# Altium PCB PCB_3U_BNC.PCBDOC (part 2 of 2)
Units mil, origin at the board's own origin, x right, y up, seen from the top; angles counter-clockwise.
Board outline 2496.06 x 3937 mil, 4 copper layers (TopLayer, Internal Plane 2, Internal Plane 1, BottomLayer), stack 35.634 mil thick; 146 components, 103 nets, 600 pads, 388 vias.
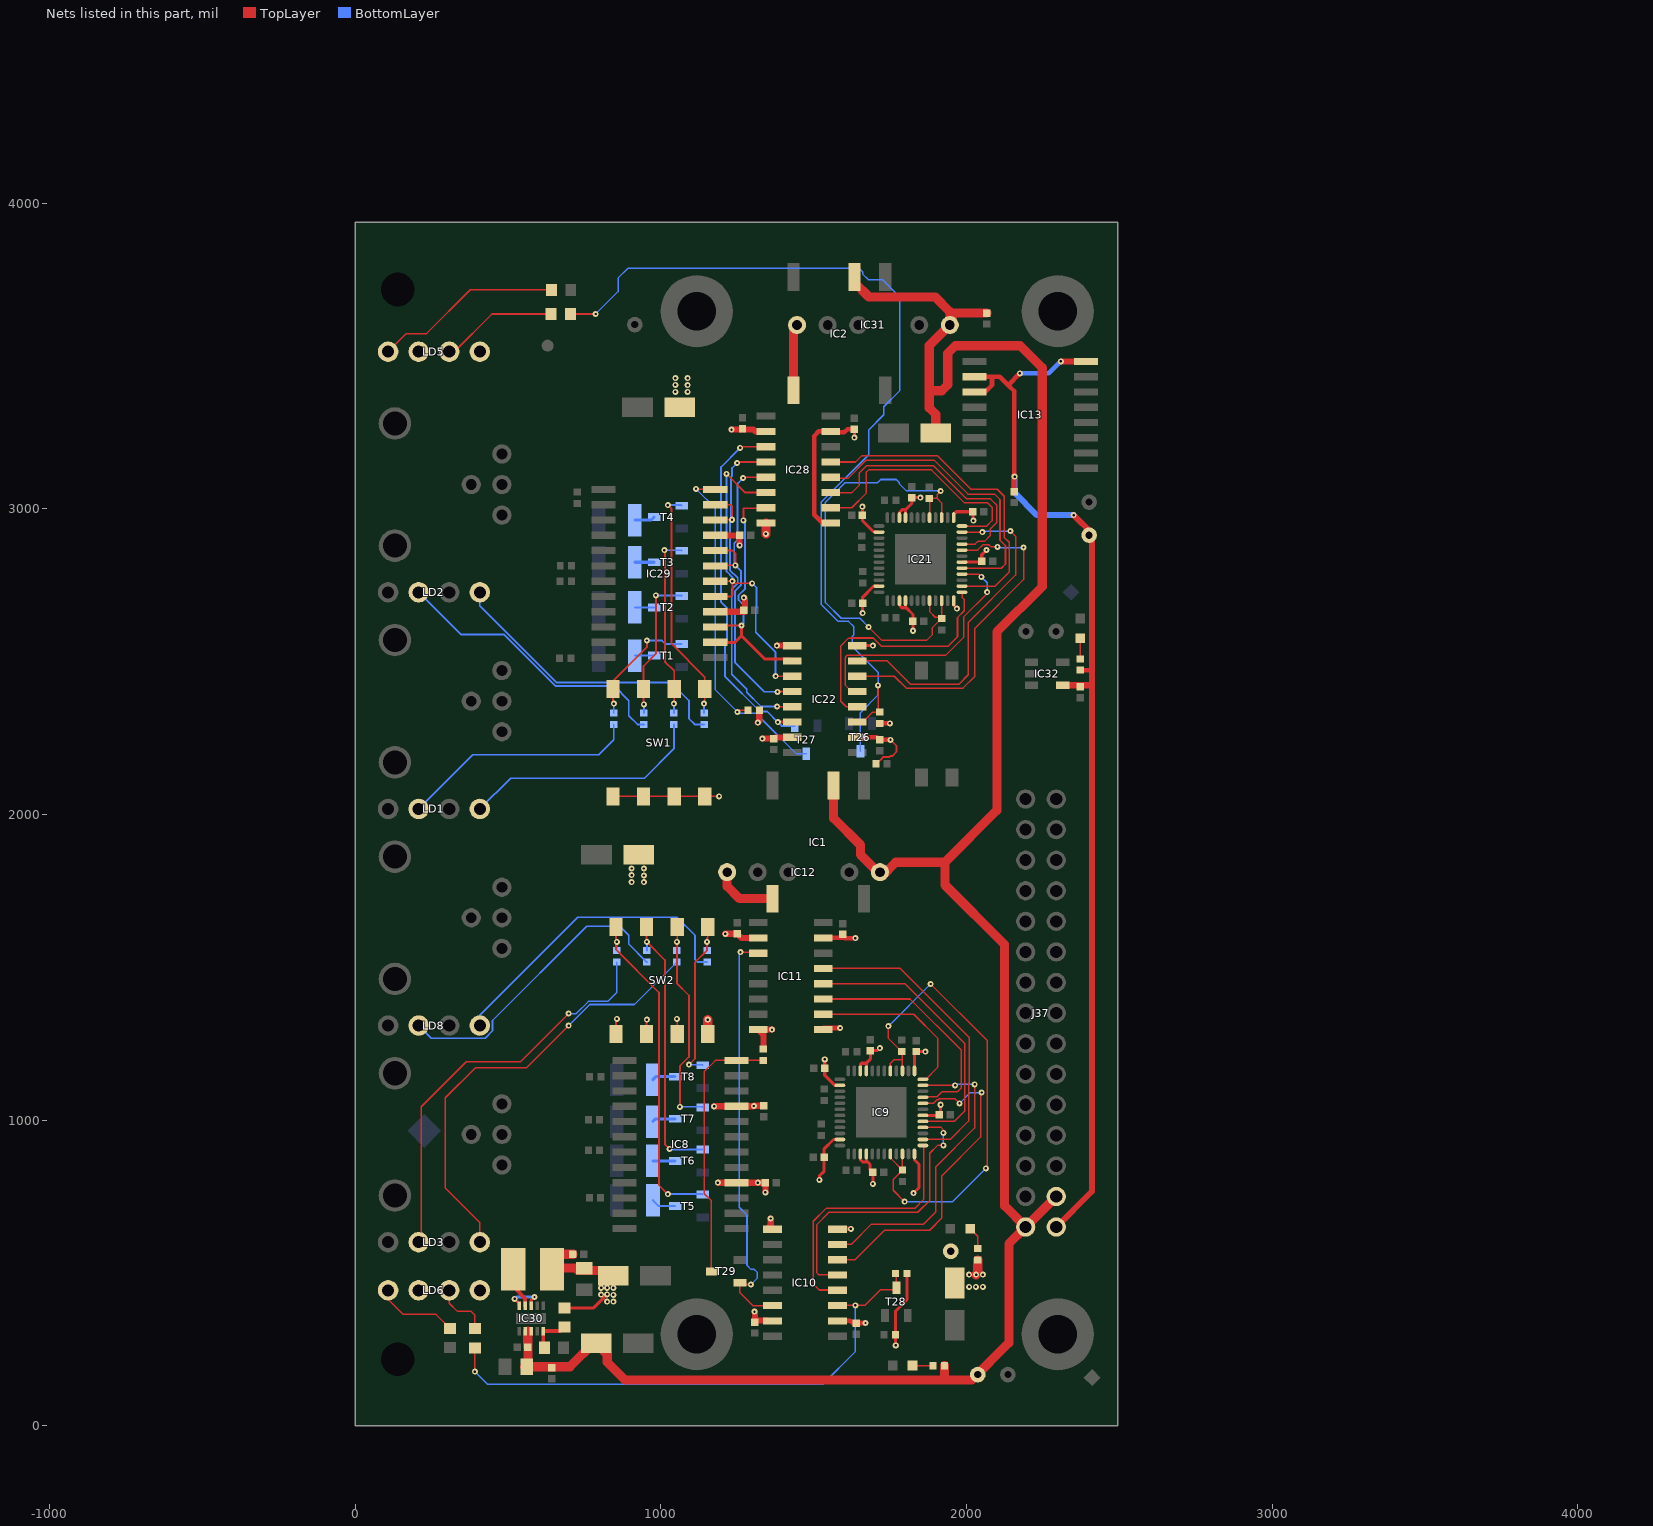
[diagram p4: the nets of this part, all layers, seen from the top]

## Via types
v1: diameter 19.68, hole 7.87, TopLayer to BottomLayer, tented both sides, 294 vias
v2: diameter 19.68, hole 7.87, TopLayer to BottomLayer, 62 vias
v3: diameter 23.62, hole 11.81, TopLayer to BottomLayer, 17 vias
v4: diameter 23.62, hole 11.81, TopLayer to BottomLayer, tented both sides, 15 vias

## Nets (pads, with @x,y where several pads share a name; then routed paths per layer and width w, separated by ;. In a path a pad name is that pad's centre, name@x,y a point inside that pad or via, vN(x,y) a via of type N, cw(c..) or ccw(c..) an arc to the next point about the centre after c; other vN are vias at no path point) (continued)
NetIC8_24: IC8.24 R172.1 T29.3 | length 866.1
  TopLayer w5: T29.3@1161.91,511.81 1165.1,515 1165.1,736.37 1142.56,758.91 1142.56,1158.56 1179,1195 IC8.24@1248.07,1195 1335.5,1195 R172.1@1336,1195.5
NetIC9_20: IC9.20 IC9.22 IC9.39 IC9.41 R157.1 R171.1 | length 1673.6
  TopLayer w5: v1(1745,1307) 1745,1267 1787.5,1224.5 R171.1@1788,1224.5 1790.9,1221.6 1790.9,1198 ; IC9.20@1751.53,889.17 1751.53,875.47 1790.9,836.1 IC9.22@1790.9,889.17 ; IC9.41@1751.53,1160.83 1751.53,1185.53 1764,1198 1790.9,1198 ; R157.1@1790,834.5 1761,805.5 1761,770 v1(1798,733) ; IC9.39@1790.9,1160.83 1790.9,1198 ; v1(1883,1445) 2068,1260 2068,846 v1(2064,842)
  BottomLayer w5: v1(1745,1307) v1(1883,1445) ; v1(1798,733) 1955,733 v1(2064,842)
NetIC9_25: IC9.25 IC10.12 | length 843.7
  TopLayer w5: IC10.12@1560.3,444 1519,444 1499,464 1499,669 1541,711 1831,711 1861.34,741.34 1861.34,913.22 IC9.25@1857.83,916.73
NetIC9_26: IC9.26 IC11.5 | length 1019.3
  TopLayer w5: IC11.5@1532.3,1496 1784,1496 2009,1271 2009,1122.69 2007.07,1120.77 2007.07,996.55 1946.94,936.42 IC9.26@1857.83,936.42
NetIC9_28: IC9.28 IC10.13 | length 942.6
  TopLayer w5: IC10.13@1560.3,494 1517,494 1511,500 1511,658 1551,698 1841,698 1880,737 1880,891 1906,917 v1(1925,917) ; IC9.28@1857.83,975.79 1917,975.79 1925,967.79 v1(1925,958)
  BottomLayer w5: v1(1925,917) v1(1925,958)
NetIC9_29: IC9.29 IC11.4 | length 915.3
  TopLayer w5: IC11.4@1532.3,1446 1799,1446 1994.87,1250.13 1994.87,1029.87 1960.47,995.47 IC9.29@1857.83,995.47
NetIC9_32: IC9.32 IC10.14 | length 1099.8
  TopLayer w5: IC10.14@1560.3,544 IC10.14@1578.3,544 ; IC10.14@1578.3,543 1635.52,543 1732.28,639.76 1879.92,639.76 1919.29,679.13 1919.29,816.93 2046.66,944.3 2046.66,1086.66 v1(2050,1090) ; IC9.32@1857.83,1054.53 1892,1054.53 1903.82,1066.34 1907.82,1066.34 1911.1,1069.63 1962.43,1069.63 v1(1977.53,1054.53)
  BottomLayer w5: v1(1977.53,1054.53) 2013,1090 v1(2050,1090)
NetIC9_33: IC9.33 IC11.3 | length 781.8
  TopLayer w5: IC11.3@1532.3,1396 1816,1396 1983,1229 1983,1105 1970,1092 1919.33,1092 1903.67,1076.34 1859.96,1076.34 IC9.33@1857.83,1074.21
NetIC9_35: IC9.35 IC10.15 | length 1024.3
  TopLayer w5: IC10.15@1560.3,594 1624.02,594 1689.46,659.45 1860.24,659.45 1899.61,698.82 1899.61,846.46 2027,973.85 v1(2027,1117) ; IC9.35@1857.83,1113.58 v1(1963.58,1113.58)
  BottomLayer w5: v1(1963.58,1113.58) 1967,1117 v1(2027,1117)
NetIC9_36: IC9.36 IC11.2 | length 558.6
  TopLayer w5: IC11.2@1532.3,1346 1828,1346 1906,1268 1906,1172 IC9.36@1866,1132
NetIC10_6: IC10.6 IC11.11 T29.1 | length 1383.6
  TopLayer w5: v1(1261,1549) 1316.7,1549 IC11.11@1319.7,1546 ; v1(1295,462) 1264.87,462 T29.1@1259.28,467.6 1259.28,434.72 1301,393 IC10.6@1365.7,393
  BottomLayer w5: v1(1261,1549) 1256.66,1544.66 1256.66,1454.87 1257.34,1454.18 1257.34,1439.82 1256.66,1439.13 1256.66,714.63 1282.34,688.94 1282.34,524.8 1295.8,511.34 1306.18,511.34 1316.34,501.18 1316.34,483.34 v1(1295,462)
NetIC10_11: IC10.11 R154.2 R155.1 T28.3 | length 1835.5
  TopLayer w5: v1(392,177) R154.2@392,254.5 ; IC10.11@1560.3,394 v1(1637,394) 1668,394 1718.28,444.28 1774,444.28 1770.5,447.77 R155.1@1770.5,509
  BottomLayer w5: v1(392,177) 433,136 1530,136 1637,243 v1(1637,394)
NetIC21_20: IC21.20 IC21.22 IC21.39 IC21.41 R138.1 R152.1 | length 1560.3
  TopLayer w5: v1(1680,2613) 1724,2569 1870,2569 1888,2587 1888,2610 1918.5,2640.5 R152.1@1918.9,2640.5 ; IC21.20@1879.53,2699.17 1879.53,2663.47 1898,2645 1914.4,2645 R152.1@1918.9,2640.5 ; IC21.41@1879.53,2970.83 1879.53,3031.97 R138.1@1878,3033.5 1904.5,3033.5 ; v1(1916,3058) 1904.5,3046.5 1904.5,3033.5 ; IC21.22@1918.9,2699.17 R152.1@1918.9,2640.5 ; IC21.39@1918.9,2970.83 1918.9,3019.1 1904.5,3033.5 ; R152.1@1920,2640.5 R152.1@1918.9,2640.5
  BottomLayer w5: v1(1680,2613) 1651.63,2641.37 1590.63,2641.37 1539,2693 1539,3020.92 1603.49,3085.41 1709.94,3085.41 1720.1,3095.57 1770.8,3095.57 1781.19,3085.18 1781.19,3081.02 1804.2,3058 v1(1916,3058)
NetIC21_25: IC21.25 IC22.12 | length 818.1
  TopLayer w5: IC22.12@1643.3,2352 1607,2352 1589,2370 1589,2551 1614.66,2576.66 1621.36,2576.66 1621.7,2577 1695,2577 1722,2550 1940,2550 1971,2581 1971,2644 1993,2666 1993,2703 1985.83,2710.17 IC21.25@1985.83,2726.73 IC21.25@1986.34,2726.22
NetIC21_26: IC21.26 IC28.5 | length 1059.1
  TopLayer w5: IC28.5@1556.87,3152.83 1637.09,3152.83 1658.25,3174 1905,3174 2015,3064 2101,3064 2124,3041 2124,2906 2140,2890 2140,2793 2093.42,2746.42 IC21.26@1985.83,2746.42
NetIC21_28: IC21.28 IC22.13 | length 859.5
  TopLayer w5: IC22.13@1643.3,2402 1624.6,2402 1603,2423.6 1603,2512 1605.29,2514.29 1605.29,2516.92 1609.68,2521.31 1933.31,2521.31 1992,2580 1992,2647 2068,2723 v1(2068,2727) ; IC21.28@1985.83,2785.79 2040.21,2785.79 v1(2049,2777)
  BottomLayer w5: v1(2049,2777) 2068,2758 v1(2068,2727)
NetIC21_29: IC21.29 IC28.4 | length 998.1
  TopLayer w5: IC28.4@1556.87,3102.83 1559.31,3100.39 1614.17,3100.39 1672.78,3159 1894,3159 2005,3048 2092,3048 2110,3030 2110,2897 2128,2879 2128,2819 2114.47,2805.47 IC21.29@1985.83,2805.47
NetIC21_32: IC21.32 IC22.14 | length 1116.3
  TopLayer w5: IC22.14@1643.3,2452 1764,2452 1803,2413 1989,2413 2028,2452 2028,2609 2187,2768 v1(2187,2873) ; IC21.32@1985.83,2864.53 2036.53,2864.53 2054.34,2882.34 2073.18,2882.34 2080.53,2875 v1(2102,2875)
  BottomLayer w5: v1(2102,2875) 2104,2873 v1(2187,2873)
NetIC21_33: IC21.33 IC28.3 | length 868.4
  TopLayer w5: IC28.3@1556.87,3052.83 1625.67,3052.83 1649.18,3076.34 1649.18,3115.71 1674.46,3141 1892,3141 2001,3032 2079,3032 2100,3011 2100,2956 2078,2934 2078,2912 2059,2893 2037,2893 2028.21,2884.21 IC21.33@1985.83,2884.21
NetIC21_35: IC21.35 IC22.15 | length 1108.2
  TopLayer w5: IC22.15@1643.3,2502 1741,2502 1817,2426 1975.59,2426 2006,2456.41 2006,2628 2161,2783 2161,2910 v1(2144,2927) ; IC21.35@1985.83,2923.58 v1(2052.58,2923.58)
  BottomLayer w5: v1(2052.58,2923.58) 2056,2927 v1(2144,2927)
NetIC21_36: IC21.36 IC28.2 | length 823.7
  TopLayer w5: IC28.2@1559.87,2999.83 IC28.2@1556.87,3002.83 1624.88,3002.83 1673.23,3051.18 1673.23,3120.08 1680.15,3127 1886,3127 1994,3019 2070,3019 2084,3005 2084,2961 2065.66,2942.66 2010.61,2942.66 2010,2943.27 IC21.36@1985.83,2943.27
NetIC22_2: IC22.2 IC28.15 IC29.14 IC29.15 | length 895.3
  TopLayer w6: IC29.15@1178.43,2612.89 1183.43,2617.89 v1(1264.36,2617.89) ; v1(1270.36,2961.89) 1270.36,3001.29 1342.73,3001.29 IC28.15@1344.28,3002.83 ; IC22.2@1424.7,2508 IC22.2@1430.7,2502
  TopLayer w10: IC29.14@1178.43,2562.89 1243.36,2562.89 1264.36,2583.89 ; v1(1264.36,2617.89) 1264.36,2583.89 ; IC22.2@1424.7,2508 1340.25,2508 1264.36,2583.89
  BottomLayer w6: v1(1264.36,2617.89) 1270.36,2623.89 1270.36,2685.66 1254.52,2701.5 1254.52,2716.28 1276.2,2737.97 1276.2,2956.05 v1(1270.36,2961.89)
NetIC22_3: IC22.3 IC28.14 IC29.17 IC29.18 | length 1132.4
  TopLayer w6: IC29.17@1178.43,2712.89 1230.36,2712.89 1234.36,2716.89 v1(1234.36,2762.89) ; IC29.18@1178.43,2762.89 v1(1234.36,2762.89) ; v2(1215.36,3113.89) 1276.42,3052.83 IC28.14@1344.28,3052.83 ; v2(1299.21,2755.91) 1241.35,2755.91 v1(1234.36,2762.89) ; v1(1376,2452) IC22.3@1430.7,2452
  BottomLayer w6: v2(1215.36,3113.89) 1215.36,2794.89 1234.36,2775.89 v1(1234.36,2762.89) ; v2(1299.21,2755.91) 1312.94,2742.17 1312.94,2676.76 1310.9,2674.71 1310.9,2595.87 1376,2530.77 v1(1376,2452)
NetIC22_4: IC22.4 IC28.13 IC29.19 IC29.20 | length 1111.6
  TopLayer w6: IC29.19@1178.43,2812.89 1180.43,2814.89 v1(1244.36,2814.89) 1244.36,2853.89 1235.36,2862.89 IC29.20@1178.43,2862.89 ; v2(1269.69,3100.39) 1272.13,3102.83 IC28.13@1344.28,3102.83 ; v1(1382,2401) 1383,2402 IC22.4@1430.7,2402
  BottomLayer w6: v2(1269.69,3100.39) 1251.2,3081.91 1251.2,2897.97 1240.52,2887.28 1240.52,2818.73 v1(1244.36,2814.89) 1263.2,2796.05 1263.2,2750.94 1243.52,2731.26 1243.52,2496.64 1339.16,2401 v1(1382,2401)
NetIC22_5: IC22.5 IC28.12 IC29.22 IC29.23 | length 1222.9
  TopLayer w6: IC29.22@1178.43,2962.89 1179.43,2963.89 v1(1233.36,2963.89) 1233.36,3007.89 1228.36,3012.89 IC29.23@1178.43,3012.89 ; v2(1250,3149.61) 1253.23,3152.83 IC28.12@1344.28,3152.83 ; v1(1381,2353) 1382,2352 IC22.5@1430.7,2352
  BottomLayer w6: v2(1250,3149.61) 1233.2,3132.81 1233.2,3106.5 1229.52,3102.81 1229.52,2967.73 v1(1233.36,2963.89) 1226.52,2957.05 1226.52,2799.29 1252.2,2773.6 1252.2,2755.5 1232.52,2735.81 1232.52,2458.43 1281.73,2409.21 1281.73,2399.37 1328.1,2353 v1(1381,2353)
NetIC22_6: IC22.6 IC28.11 T27.1 | length 1212.9
  TopLayer w6: v2(1259.84,3198.82) 1263.86,3202.83 IC28.11@1344.28,3202.83
  TopLayer w10: v1(1383,2302) IC22.6@1430.7,2302
  BottomLayer w6: v2(1259.84,3198.82) 1197.52,3136.5 1197.52,2694.65 1216.63,2675.54 1216.63,2559.66 1210.63,2553.66 1210.63,2450.79 1324.84,2336.57 1348.43,2336.57 v1(1383,2302) 1395.63,2289.37 T27.1@1438.57,2289.37
NetIC22_11: IC22.11 R135.2 R136.1 T26.3 | length 3101.4
  TopLayer w5: R135.2@704.5,3637 v2(787,3637) ; IC22.11@1643.3,2302 1661,2302 1693.5,2334.5 R136.1@1717,2334.5 1711,2340.5 v1(1711,2422)
  BottomLayer w5: v2(787,3637) 860.63,3710.63 860.63,3754.33 892.42,3786.12 1649.4,3786.12 1660.41,3775.11 1660.41,3767.82 1679.45,3748.78 1726.02,3748.78 1781.34,3693.46 1781.34,3385.52 1729.5,3333.69 1729.5,3307.09 1680.29,3257.87 1680.29,3176.35 1525.59,3021.65 1525.59,2687.01 1581.22,2631.37 1614.77,2631.37 1631.52,2614.63 1631.52,2586.82 1626.14,2581.44 1626.14,2549.86 1711,2465 v1(1711,2422) 1711,2390.13 1653.54,2332.68 T26.3@1653.54,2206.72
NetIC29_24: IC29.24 R150.1 T27.3 | length 1168.8
  TopLayer w5: v1(1115.36,3064.89) 1117.36,3062.89 IC29.24@1178.43,3062.89 ; v1(1251,2335) 1257,2341 R150.1@1285.5,2341
  BottomLayer w5: v1(1115.36,3064.89) 1178.92,3001.33 1178.92,2407.08 v1(1251,2335) 1255.82,2330.18 1312.35,2330.18 1335.34,2307.18 1335.34,2306.39 1442.91,2198.82 T27.3@1475.98,2198.82
NetIC30_5: IC30.5 R167.1 R173.2 | length 131.3
  TopLayer w12: R173.2@619.5,255 615.37,259.13 IC30.5@615.37,309.66 672.16,309.66 R167.1@685,322.5
NetIC30_9: IC30.9 L1.1 | length 71.5
  TopLayer w13: L1.1@523.01,450 556.31,416.69 IC30.9@556.31,392.34
NetLD1_2: LD1.2 R1.2 | length 782.4
  BottomLayer w6: LD1.2@208.27,2017.72 385.43,2194.88 797.24,2194.88 846.46,2244.09 R1.2@846.46,2294.49
NetLD1_4: LD1.4 R3.2 | length 796.5
  BottomLayer w6: LD1.4@408.27,2017.72 508.91,2118.35 947.09,2118.35 1043.31,2214.57 R3.2@1043.31,2294.49
NetLD2_2: LD2.2 R2.2 | length 944.3
  BottomLayer w6: LD2.2@208.27,2726.38 346.06,2588.58 486.41,2588.58 654.89,2420.1 847.61,2420.1 895.67,2372.05 895.67,2322.83 924.02,2294.49 R2.2@944.88,2294.49
NetLD2_4: LD2.4 R4.2 | length 972.8
  BottomLayer w6: LD2.4@408.27,2726.38 408.27,2682.28 659.45,2431.1 1033.46,2431.1 1092.52,2372.05 1092.52,2312.99 1111.02,2294.49 R4.2@1141.73,2294.49
NetLD3_2: LD3.2 R5.2 | length 1340.6
  TopLayer w5: LD3.2@208.27,600.39 216.54,608.66 216.54,1043.31 364.17,1190.94 541.34,1190.94 v2(698.82,1348.43)
  BottomLayer w5: v2(698.82,1348.43) 724.05,1348.43 763.57,1387.95 826.93,1387.95 856.3,1417.32 R5.2@856.3,1516.93
NetLD3_4: LD3.4 R9.2 | length 1461.1
  TopLayer w5: LD3.4@408.27,600.39 408.27,664.57 295.28,777.56 295.28,1072.83 393.7,1171.26 561.02,1171.26 v2(698.82,1309.06)
  BottomLayer w5: v2(698.82,1309.06) 767.72,1377.95 914.17,1377.95 R9.2@1053.15,1516.93
NetLD4_2: LD4.2 R6.1 | length 67.1
  TopLayer w5: LD4.2@1823.82,196.85 R6.1@1890.94,196.85
NetLD5_1: LD5.1 R134.1 | length 618
  TopLayer w5: LD5.1@108.27,3513.78 167.32,3572.83 233.83,3572.83 377,3716 R134.1@642.5,3716
NetLD5_3: LD5.3 R135.1 | length 384.3
  TopLayer w5: LD5.3@308.27,3513.78 324.8,3513.78 448.02,3637 R135.1@641.5,3637
NetLD6_1: LD6.1 R153.1 | length 271.6
  TopLayer w5: LD6.1@108.27,442.91 108.27,413.39 157.48,364.17 265.32,364.17 R153.1@311,318.5
NetLD6_3: LD6.3 R154.1 | length 186.8
  TopLayer w5: LD6.3@308.27,442.91 308.27,400.61 334.86,374.02 380.46,374.02 392,362.47 R154.1@392,317.5
NetLD7_2: LD7.2 R8.2 | length 75.5
  TopLayer w5: LD7.2@2012.56,644.76 2037.4,619.92 R8.2@2037.4,579.53
NetLD8_2: LD8.2 R7.2 | length 1000.2
  BottomLayer w6: LD8.2@208.27,1309.06 249.73,1267.59 425.44,1267.59 449.73,1291.88 449.73,1325.72 757.87,1633.86 866.14,1633.86 895.67,1604.33 895.67,1575.98 R7.2@954.72,1516.93
NetLD8_4: LD8.4 R11.2 | length 1016.9
  BottomLayer w6: LD8.4@408.27,1309.06 408.27,1343.31 728.35,1663.39 1053.15,1663.39 1112.2,1604.33 1112.2,1525.59 1120.87,1516.93 R11.2@1151.57,1516.93
NetLD9_2: LD9.2 R10.2 | length 67.1
  TopLayer w5: R10.2@2372.05,2508.66 LD9.2@2372.05,2575.79
NetR139_1: R139.1 T1.3 | length 63
  BottomLayer w6: R139.1@915.35,2519.68 T1.3@978.35,2519.68
NetR142_1: R142.1 T2.3 | length 63
  BottomLayer w6: R142.1@915.35,2677.17 T2.3@978.35,2677.17
NetR145_1: R145.1 T3.3 | length 63
  BottomLayer w10: R145.1@915.35,2824.8 T3.3@978.35,2824.8
NetR148_1: R148.1 T4.3 | length 67.1
  BottomLayer w10: R148.1@915.35,2962.6 968.5,2962.6 T4.3@978.35,2972.44
NetR158_1: R158.1 T5.3 | length 81
  BottomLayer w6: R158.1@974.41,738.19 994.09,718.5 T5.3@1047.24,718.5
NetR161_1: R161.1 T6.3 | length 72.8
  BottomLayer w10: R161.1@974.41,866.14 T6.3@1047.24,866.14
NetR164_1: R164.1 T7.3 | length 76.5
  BottomLayer w10: R164.1@974.41,995 983.35,1003.94 T7.3@1047.24,1003.94
NetR168_1: R168.1 T8.3 | length 76.9
  BottomLayer w10: R168.1@974.41,1131.89 984.25,1141.73 T8.3@1047.24,1141.73
P3V3: B5.1 C14.2 C15.2 C16.2 C17.2 C18.1 C19.2 C20.2 C21.2 C22.2 C23.2 C24.2 C53.2 C54.2 C55.2 C56.2 C69.2 C70.2 C71.1 C72.2 C73.2 IC9.2 IC9.11 IC9.15 IC9.16 IC9.24 IC9.30 IC9.37 IC9.45 IC9.46 IC10.10 IC10.16 IC11.1 IC11.7 IC21.2 IC21.11 IC21.15 IC21.16 IC21.24 IC21.30 IC21.37 IC21.45 IC21.46 IC22.10 IC22.16 IC28.1 IC28.7 IC30.8 IC30.10 L1.2 LD5.2 LD5.4 LD6.2 LD6.4 R8.1 R136.2 R137.2 R155.2 R156.2 R167.2 | length 3665.1
  TopLayer w6: R137.2@1703.94,2165.35 1706.68,2165.35 1721.53,2180.2 1721.53,2180.87 1728.73,2188.08 1749.61,2188.08 1751.97,2190.44 1757.11,2190.44 1771.39,2204.72 1771.39,2224.04 v1(1751.72,2243.72)
  TopLayer w10: v1(522,415) 536.63,400.37 IC30.10@536.63,392.34 ; IC30.8@576,392.34 576,410 v1(587,421) ; R167.2@685,385.5 780.5,385.5 v1(825,430) ; v1(1519.16,804) 1519.16,816.84 1519,817 1534.72,832.72 C69.2@1534.72,878 1534.72,905.72 1565.42,936.42 IC9.11@1586.17,936.42 ; v1(1536.72,1198.72) C70.2@1536.72,1169 1536.72,1146.28 1569.42,1113.58 IC9.2@1586.17,1113.58 ; v1(1633.86,3232.56) C53.2@1633.86,3259.84 ; IC22.16@1643.3,2552 v1(1694,2552) ; IC9.15@1653.1,889.17 1653.1,870.9 1661,863 1677,863 ; IC9.46@1653.1,1160.83 1653.1,1182.1 1656.79,1185.79 1672.79,1185.79 ; v1(1659.72,3006.72) C14.2@1659.72,2978 1659.72,2961.28 1697.42,2923.58 IC21.2@1714.17,2923.58 ; v1(1660.72,2658.28) C15.2@1660.72,2691 1660.72,2710.72 1696.42,2746.42 IC21.11@1714.17,2746.42 ; IC9.16@1672.79,889.17 1672.79,867.21 1677,863 ; IC9.45@1672.79,1160.83 1672.79,1185.79 ; C24.2@1685,836 1685,855 1677,863 ; v1(1694.28,791.28) C24.2@1694.28,829 ; v1(1717,1235) 1709.28,1227.28 C72.2@1686,1227.28 1686,1199 1672.79,1185.79 ; v1(1769,263) 1768.5,263.5 1768.5,375.5 1805.5,412.5 R155.2@1805.5,498 ; IC21.15@1781.1,2699.17 1781.1,2683.9 1789,2676 1803,2676 ; IC21.46@1781.1,2970.83 1781.1,2988.1 1789.79,2996.79 1800.79,2996.79 ; IC21.16@1800.79,2699.17 1800.79,2678.21 1803,2676 ; IC21.45@1800.79,2970.83 1800.79,2996.79 ; v1(1825.28,2600.72) C54.2@1825.28,2632 1825.28,2653.72 1803,2676 ; v1(1827,761) 1844.84,778.84 1844.84,855.16 1830.27,869.73 IC9.24@1830.27,889.17 ; IC9.37@1830.27,1160.83 1830.27,1218.55 C20.2@1836,1224.28 v1@1860.28,1224.28 ; v1(1849.72,3036.28) C55.2@1822,3036.28 1822,3018 1800.79,2996.79 ; IC9.30@1857.83,1015.16 1909.44,1015.16 C23.2@1911.28,1017 1911,1017.28 1916,1022.28 v1(1916,1050) ; IC21.24@1958.27,2699.17 1958.27,2683.73 v1(1969,2673) ; IC21.37@1958.27,2981 1967.27,2990 C19.2@2021.28,2990 2021.28,2962.72 v1(2023,2961) ; IC21.30@1985.83,2825.16 2047.44,2825.16 C56.2@2050.28,2828 2050.28,2849.28 v1(2066,2865)
  TopLayer w15: IC11.1@1532.3,1301 v1(1587,1301) ; IC11.7@1532.3,1596 1602.28,1596 1603,1595.28 v1(1636.72,1595.28) ; IC28.7@1553.16,3249.56 1600.86,3249.56 1611.14,3259.84 C53.2@1633.86,3259.84 ; IC28.1@1556.87,2952.83 1530.57,2952.83 1502.57,2980.83 1502.57,3237.83 1517.57,3252.83 IC28.7@1556.87,3252.83 ; IC10.10@1560.3,344 1619.72,344 1629,334.72 C22.2@1639,334.72 1640.28,336 v1(1670,336) ; IC10.16@1560.3,644 v1(1622,644) ; IC22.10@1643.3,2252 1707.72,2252 C16.2@1716,2243.72 v1(1751.72,2243.72) ; R136.2@1717,2297.5 v1(1749.5,2297.5)
  TopLayer w30: L1.2@643.7,511.81 647.32,515.43 C73.2@749.69,515.43 ; L1.2@659.45,561.02 C21.2@712.6,561.02 ; C73.2@730,508 C71.1@825.1,508 ; v1(2032,494) 2037.4,499.4 R8.1@2037.4,542.52
  BottomLayer w10: v1(522,415) 528,421 v1(587,421)
  other v1: 825,406 845,406 845,428 805,429 805,451 825,451 845,451 2009,454 2031,454 2054,454 2009,494 2054,494 1866,1224
P3V3_MP: B3.1 C37.2 C38.2 IC13.2 IC13.3 IC13.16 IC32.4 J37.30 R10.1 | length 3680.2
  TopLayer w15: IC13.3@2025.93,3382 2062,3382 2084,3404 2084,3432 ; IC13.2@2025.93,3432 2084,3432 ; C38.2@2156,3055.72 2156,3107 2156,3385 2136.5,3404.5 ; v1(2175,3443) 2136.5,3404.5 ; R10.1@2372.05,2471.65 2409.82,2471.65 2411,2470.47 ; 2084,3432 2109,3432 2136.5,3404.5
  TopLayer w20: v1@2156,3107 v1(2158,3105) ; J37.30@2294,650 2411,767 2411,2418 ; v1(2309,3482) IC13.16@2392.07,3482 ; IC32.4@2315.18,2422.6 2406.4,2422.6 2411,2418 ; v1(2351,2979) 2411,2919 2411,2470.47 2411,2418
  BottomLayer w15: v1(2175,3443) 2270,3443 v1(2309,3482)
  BottomLayer w20: v1(2158,3105) 2158,3052 2231,2979 v1(2351,2979)
P5V0_ISO1: C48.2 C49.2 C50.2 C51.2 C52.1 IC2.8 IC22.1 IC22.7 IC28.10 IC28.16 IC29.16 IC29.21 IC31.6 R150.2 SW1.1 SW1.2 SW1.3 SW1.4 | length 1166.3
  TopLayer w6: SW1.1@844.09,2059.06 SW1.2@944.09,2059.06 SW1.3@1044.09,2059.06 v2(1190.94,2059.06)
  TopLayer w20: IC29.16@1178.43,2662.89 1275.65,2662.89 1275.65,2705.61 v1(1272.36,2708.89) ; IC29.21@1180.43,2912.89 C49.2@1258.65,2912.89 1258.36,2912.61 v1(1258.36,2879.89) ; v1(1231.57,3258.83) 1303.57,3258.83 1309.57,3252.83 IC28.10@1344.28,3252.83 ; v1@1317,2301 v1(1318,2300) 1322.5,2304.5 R150.2@1322.5,2341 ; v1(1332.28,2247.72) C48.2@1370,2247.72 1374.28,2252 IC22.7@1430.7,2252 ; v1(1380,2552) IC22.1@1430.7,2552
  TopLayer w30: v2(1344.28,2917.54) IC28.16@1344.28,2952.83 ; IC2.8@1434.65,3387.8 1434.65,3589.65 IC31.6@1446,3601
  other v1: 1048,3382 1088,3382 1088,3404 1048,3405 1048,3427 1088,3427
P5V0_ISO2: C28.2 C29.2 C30.2 C31.2 C32.1 IC1.8 IC8.16 IC8.21 IC10.1 IC10.7 IC11.10 IC11.16 IC12.6 R172.2 SW2.1 SW2.2 SW2.3 SW2.4 | length 1093.1
  TopLayer w6: SW2.1@853.94,1281.5 853.94,1328.35 v2(856.3,1330.71) ; SW2.2@953.94,1281.5 953.94,1327.95 v2(954.72,1328.74) ; v2(1053.15,1330.71) 1053.94,1329.92 SW2.3@1053.94,1281.5
  TopLayer w20: v1(1175,1045) IC8.21@1248.07,1045 1304,1045 v1(1305,1046) 1305.72,1046.72 C30.2@1337,1046.72 ; v1(1187,795) IC8.16@1248.07,795 v1(1318,795) ; v1(1211.28,1609.28) C31.2@1251,1609.28 1264.28,1596 IC11.10@1319.7,1596 ; v1(1307,373) 1308,372 C28.2@1308,344 ; C28.2@1308,338.72 C28.2@1308,344 ; v1@1322,795 C29.2@1342.28,795 v1(1342.28,763.28) ; R172.2@1336,1232.5 1336,1279.7 IC11.16@1319.7,1296 v1(1364,1296) ; IC10.7@1347.7,344 C28.2@1308,344 ; IC10.1@1347.7,644 1360,656.3 v1(1360,678)
  TopLayer w30: SW2.4@1153.94,1281.5 v2(1153.94,1328.35) ; IC12.6@1217.32,1811.02 1217.32,1764.96 1257.87,1724.41 IC1.8@1365.75,1724.41
  other v1: 905,1778 945,1778 945,1800 905,1801 905,1823 945,1823
P12V0: B6.1 C33.2 C34.1 C35.2 C36.1 C74.2 C75.2 IC1.3 IC2.3 IC12.1 IC30.2 IC30.3 IC31.1 J37.28 J37.29 R6.2 | length 7533.4
  TopLayer w30: C75.2@555.43,193 C75.2@559.43,189 ; C74.2@565,257.28 565,310 ; C74.2@565.72,256 565.72,197.28 C75.2@561.43,193 703,193 784,274 825.1,232.9 825.1,207.9 884,149 1929.13,149 ; IC1.3@1565.75,2094.49 1565.75,1987.4 1653.54,1899.61 1653.54,1868.46 IC12.1@1717.32,1804.68 ; IC2.3@1634.65,3768.57 IC2.3@1634.65,3757.87 1634.65,3739.37 1681.42,3692.6 1897.95,3692.6 1946,3644.55 IC31.1@1946,3622.05 ; IC12.1@1724,1798 1769.1,1843.1 1930.1,1843.1 ; C36.1@1899.61,3248.03 1899.61,3309.06 1878.72,3329.94 1878.72,3385.83 ; R6.2@1927.95,196.85 1927.95,150.18 1929.13,149 ; C33.2@2066.93,3639.76 1963.72,3639.76 IC31.1@1946,3622.05 ; J37.28@2294,750 J37.29@2194,650 ; 1878.72,3385.83 1878.72,3533.72 IC31.1@1946,3601 IC31.1@1946,3622.05 ; 1878.72,3385.83 1919.29,3385.83 1939,3405.54 1939,3508 1964,3533 2176,3533 2248,3461 2248,2745 2100,2597 2100,2013 1930.1,1843.1 ; 1929.13,149 2017,149 2139,271 2139,595 J37.29@2194,650 ; 1930.1,1843.1 1930.1,1768.9 2125,1574 2125,719 J37.29@2194,650
TERM_IO1: R1.1 SW1.8 T1.1 | length 403.3
  TopLayer w6: v2(846.46,2362.2) 844.09,2364.57 SW1.8@844.09,2409.45 844.09,2436.61 954.72,2547.24 v2(954.72,2568.9)
  BottomLayer w6: R1.1@846.46,2331.5 v2(846.46,2362.2) ; v2(954.72,2568.9) 1003.94,2568.9 1015.75,2557.09 T1.1@1068.9,2557.09
TERM_IO2: R2.1 SW1.7 T2.1 | length 487.5
  TopLayer w6: v2(944.88,2360.24) 944.09,2361.02 SW1.7@944.09,2409.45 944.09,2485.43 984.25,2525.59 v2(984.25,2716.54)
  BottomLayer w6: R2.1@944.88,2331.5 v2(944.88,2360.24) ; v2(984.25,2716.54) 1066.93,2716.54 T2.1@1068.9,2714.57
TERM_IO3: R3.1 SW1.6 T3.1 | length 604.3
  TopLayer w6: v2(1011.81,2864.17) 1013.78,2862.2 1013.78,2500 1044.09,2469.68 SW1.6@1044.09,2409.45 1044.09,2362.99 v2(1043.31,2362.2)
  BottomLayer w6: v2(1011.81,2864.17) 1066.93,2864.17 T3.1@1068.9,2862.2 ; R3.1@1043.31,2331.5 v2(1043.31,2362.2)
TERM_IO4: R4.1 SW1.5 T4.1 | length 777.3
  TopLayer w6: v2(1023.62,3011.81) 1035.43,3000 1035.43,2557.57 1144.09,2448.91 SW1.5@1144.09,2409.45 1144.09,2364.57 v2(1141.73,2362.2)
  BottomLayer w6: v2(1023.62,3011.81) 1066.93,3011.81 T4.1@1068.9,3009.84 ; R4.1@1141.73,2331.5 v2(1141.73,2362.2)
TERM_IO5: R5.1 SW2.8 T5.1 | length 1088
  TopLayer w6: SW2.8@853.94,1631.89 853.94,1557.48 994.09,1417.32 994.09,787.4 v2(1023.62,757.87)
  BottomLayer w6: R5.1@856.3,1553.94 v2(856.3,1582.68) ; v2(1023.62,757.87) 1135.83,757.87 T5.1@1137.8,755.91
TERM_IO6: R7.1 SW2.7 T6.1 | length 895.5
  TopLayer w6: SW2.7@953.94,1631.89 953.94,1583.46 v2(954.72,1582.68) 1013.78,1523.62 1013.78,921.26 v2(1029.53,905.51)
  BottomLayer w6: R7.1@954.72,1553.94 v2(954.72,1582.68) ; v2(1029.53,905.51) 1031.5,903.54 T6.1@1137.8,903.54
TERM_IO7: R9.1 SW2.6 T7.1 | length 721.8
  TopLayer w6: SW2.6@1053.94,1631.89 1053.94,1583.46 v2(1053.15,1582.68) 1053.15,1446.85 1092.52,1407.48 1092.52,1206.34 1062.99,1176.81 v2(1062.99,1043.31)
  BottomLayer w6: R9.1@1053.15,1553.94 v2(1053.15,1582.68) ; v2(1062.99,1043.31) 1135.83,1043.31 T7.1@1137.8,1041.34
TERM_IO8: R11.1 SW2.5 T8.1 | length 551.1
  TopLayer w6: v2(1092.52,1181.1) 1112.2,1200.79 1112.2,1515.75 1151.57,1555.12 v2(1151.57,1582.68) 1151.57,1594.49 1153.94,1596.85 SW2.5@1153.94,1631.89
  BottomLayer w6: v2(1092.52,1181.1) 1135.83,1181.1 T8.1@1137.8,1179.13 ; R11.1@1151.57,1553.94 v2(1151.57,1582.68)
pads on no net: FTG17.FTG2 FTG18.1 FTG19.1 FTG20.1 IC1.14 IC2.14 IC9.17 IC9.44 IC12.5 IC13.13 IC21.17 IC21.44 IC30.4 IC30.7 IC31.5 IC32.5 J35.6 J35.7 J36.6 J36.7 J38.6 J38.7 J39.6 J39.7
copper on no net: | length 105350.3
  TopLayer w1: 2807.8,3410.08 2847.48,3370.4 ; 2807.8,3470.08 2907.48,3370.4 ; 2807.8,3530.08 2927.8,3410.08 2967.48,3370.4 ; 2807.8,3590.08 2927.8,3470.08 3027.48,3370.4 ; 2807.8,3650.08 2927.8,3530.08 3047.8,3410.08 3087.48,3370.4 ; 2807.8,3710.08 2927.8,3590.08 3047.8,3470.08 3147.48,3370.4 ; 2807.8,3770.08 2927.8,3650.08 3047.8,3530.08 3167.8,3410.08 3207.48,3370.4 ; 2807.8,3830.08 2927.8,3710.08 3047.8,3590.08 3167.8,3470.08 3267.48,3370.4 ; 2807.8,3890.08 2927.8,3770.08 3047.8,3650.08 3167.8,3530.08 3287.8,3410.08 3327.48,3370.4 ; 2807.8,3950.08 2927.8,3830.08 3047.8,3710.08 3167.8,3590.08 3287.8,3470.08 3387.48,3370.4 ; 2807.8,4010.08 2927.8,3890.08 3047.8,3770.08 3167.8,3650.08 3287.8,3530.08 3407.8,3410.08 3447.48,3370.4 ; 2807.8,4070.08 2927.8,3950.08 3047.8,3830.08 3167.8,3710.08 3287.8,3590.08 3407.8,3470.08 3507.48,3370.4 ; 2807.8,4130.08 2927.8,4010.08 3047.8,3890.08 3167.8,3770.08 3287.8,3650.08 3407.8,3530.08 3527.8,3410.08 3567.48,3370.4 ; 2807.8,4190.08 2927.8,4070.08 3047.8,3950.08 3167.8,3830.08 3287.8,3710.08 3407.8,3590.08 3527.8,3470.08 3627.48,3370.4 ; 2807.8,4250.08 2927.8,4130.08 3047.8,4010.08 3167.8,3890.08 3287.8,3770.08 3407.8,3650.08 3527.8,3530.08 3647.8,3410.08 3687.48,3370.4 ; 2807.8,4310.08 2927.8,4190.08 3047.8,4070.08 3167.8,3950.08 3287.8,3830.08 3407.8,3710.08 3527.8,3590.08 3647.8,3470.08 3747.48,3370.4 ; 2807.8,4370.08 2927.8,4250.08 3047.8,4130.08 3167.8,4010.08 3287.8,3890.08 3407.8,3770.08 3527.8,3650.08 3647.8,3530.08 3767.8,3410.08 3807.48,3370.4 ; 2807.8,4430.08 2927.8,4310.08 3047.8,4190.08 3167.8,4070.08 3287.8,3950.08 3407.8,3830.08 3527.8,3710.08 3647.8,3590.08 3767.8,3470.08 3867.48,3370.4 ; 2807.8,4490.08 2927.8,4370.08 3047.8,4250.08 3167.8,4130.08 3287.8,4010.08 3407.8,3890.08 3527.8,3770.08 3647.8,3650.08 3767.8,3530.08 3887.8,3410.08 3927.48,3370.4 ; 2867.8,4490.08 2927.8,4430.08 3047.8,4310.08 3167.8,4190.08 3287.8,4070.08 3407.8,3950.08 3527.8,3830.08 3647.8,3710.08 3767.8,3590.08 3887.8,3470.08 3987.48,3370.4 ; 2927.8,4490.08 3047.8,4370.08 3167.8,4250.08 3287.8,4130.08 3407.8,4010.08 3527.8,3890.08 3647.8,3770.08 3767.8,3650.08 3887.8,3530.08 4007.8,3410.08 4047.48,3370.4 ; 2987.8,4490.08 3047.8,4430.08 3167.8,4310.08 3287.8,4190.08 3407.8,4070.08 3527.8,3950.08 3647.8,3830.08 3767.8,3710.08 3887.8,3590.08 4007.8,3470.08 4107.48,3370.4 ; 3047.8,4490.08 3167.8,4370.08 3287.8,4250.08 3407.8,4130.08 3527.8,4010.08 3647.8,3890.08 3767.8,3770.08 3887.8,3650.08 4007.8,3530.08 4127.8,3410.08 ; 3107.8,4490.08 3167.8,4430.08 3287.8,4310.08 3407.8,4190.08 3527.8,4070.08 3647.8,3950.08 3767.8,3830.08 3887.8,3710.08 4007.8,3590.08 4127.8,3470.08 ; 3167.8,4490.08 3287.8,4370.08 3407.8,4250.08 3527.8,4130.08 3647.8,4010.08 3767.8,3890.08 3887.8,3770.08 4007.8,3650.08 4127.8,3530.08 ; 3227.8,4490.08 3287.8,4430.08 3407.8,4310.08 3527.8,4190.08 3647.8,4070.08 3767.8,3950.08 3887.8,3830.08 4007.8,3710.08 4127.8,3590.08 ; 3287.8,4490.08 3407.8,4370.08 3527.8,4250.08 3647.8,4130.08 3767.8,4010.08 3887.8,3890.08 4007.8,3770.08 4127.8,3650.08 ; 3347.8,4490.08 3407.8,4430.08 3527.8,4310.08 3647.8,4190.08 3767.8,4070.08 3887.8,3950.08 4007.8,3830.08 4127.8,3710.08 ; 3407.8,4490.08 3527.8,4370.08 3647.8,4250.08 3767.8,4130.08 3887.8,4010.08 4007.8,3890.08 4127.8,3770.08 ; 3467.8,4490.08 3527.8,4430.08 3647.8,4310.08 3767.8,4190.08 3887.8,4070.08 4007.8,3950.08 4127.8,3830.08 ; 3527.8,4490.08 3647.8,4370.08 3767.8,4250.08 3887.8,4130.08 4007.8,4010.08 4127.8,3890.08 ; 3587.8,4490.08 3647.8,4430.08 3767.8,4310.08 3887.8,4190.08 4007.8,4070.08 4127.8,3950.08 ; 3647.8,4490.08 3767.8,4370.08 3887.8,4250.08 4007.8,4130.08 4127.8,4010.08 ; 3707.8,4490.08 3767.8,4430.08 3887.8,4310.08 4007.8,4190.08 4127.8,4070.08 ; 3767.8,4490.08 3887.8,4370.08 4007.8,4250.08 4127.8,4130.08 ; 3827.8,4490.08 3887.8,4430.08 4007.8,4310.08 4127.8,4190.08 ; 3887.8,4490.08 4007.8,4370.08 4127.8,4250.08 ; 3947.8,4490.08 4007.8,4430.08 4127.8,4310.08 ; 4007.8,4490.08 4127.8,4370.08 ; 4067.8,4490.08 4127.8,4430.08
  TopLayer w15: 2687.8,251.22 4127.8,251.22 ; 2687.8,1290.93 4127.8,1290.93 ; 2687.8,2150.7 4127.8,2150.7 ; 2687.8,2800.53 4127.8,2800.53 ; 2687.8,3370.4 4127.8,3370.4 ; 2807.8,-158.69 2807.8,4490.08 ; 2927.8,-158.69 2927.8,251.22 2927.8,1290.93 2927.8,2150.7 2927.8,2800.53 2927.8,3370.4 2927.8,4490.08 ; 3047.8,-158.69 3047.8,251.22 3047.8,1290.93 3047.8,2150.7 3047.8,2800.53 3047.8,3370.4 3047.8,4490.08 ; 3167.8,-158.69 3167.8,251.22 3167.8,1290.93 3167.8,2150.7 3167.8,2800.53 3167.8,3370.4 3167.8,4490.08 ; 3287.8,-158.69 3287.8,251.22 3287.8,1290.93 3287.8,2150.7 3287.8,2800.53 3287.8,3370.4 3287.8,4490.08 ; 3407.8,-158.69 3407.8,251.22 3407.8,1290.93 3407.8,2150.7 3407.8,2800.53 3407.8,3370.4 3407.8,4490.08 ; 3527.8,-158.69 3527.8,251.22 3527.8,1290.93 3527.8,2150.7 3527.8,2800.53 3527.8,3370.4 3527.8,4490.08 ; 3647.8,-158.69 3647.8,251.22 3647.8,1290.93 3647.8,2150.7 3647.8,2800.53 3647.8,3370.4 3647.8,4490.08 ; 3767.8,-158.69 3767.8,251.22 3767.8,1290.93 3767.8,2150.7 3767.8,2800.53 3767.8,3370.4 3767.8,4490.08 ; 3887.8,-158.69 3887.8,251.22 3887.8,1290.93 3887.8,2150.7 3887.8,2800.53 3887.8,3370.4 3887.8,4490.08 ; 4007.8,-158.69 4007.8,251.22 4007.8,1290.93 4007.8,2150.7 4007.8,2800.53 4007.8,3370.4 4007.8,4490.08 ; 4127.8,251.22 4127.8,-158.69 2687.8,-158.69 2687.8,4490.08 4127.8,4490.08 4127.8,3370.4 ; 4127.8,251.22 4127.8,1290.93 ; 4127.8,1290.93 4127.8,2150.7 ; 4127.8,2150.7 4127.8,2800.53 ; 4127.8,2800.53 4127.8,3370.4

## Polygon pours and split planes (outlines as drawn)
GND_ISO2 on TopLayer "MidLayer1-No Net" (solid, remove dead copper, pour order 10): 63,1924 1429.72,1924 1429.72,1729.72 1405,1705 1405,252 1297,252 1297,389 1018,668 63,668
GND_ISO1 on TopLayer "TopLayer-No Net" (solid, remove dead copper, pour order 18): 764,3465 1194,3465 1364.53,3635.53 1673.23,3635.53 1673.23,3558 1584,3558 1417.32,3391.32 1417.32,2194.88 1194,2194.88 1194,2029 73,2029 73,3340 639,3340
GND on TopLayer "MidLayer1-No Net" (solid, remove dead copper, pour order 14): 1537,1987 1537,3426 1609,3498 1758,3498 1758,3818 2456.69,3818 2456.69,119 240,119 240,319 70,319 70,608 529,608 688.98,608 695.88,551.18 947.2,551.18 1237,281.96 1237,210 1255,192 1447,192 1465,210 1465,1664.98 1537,1720.98
GND on TopLayer "TopLayer-No Net" (solid, remove dead copper, pour order 26): 1289.37,3809.06 1005.31,3525 739,3525 614,3400 70,3400 70,3615 245,3615 245,3815 1793,3815 1793,3717 1758,3717 1758,3736 1684.94,3809.05
GND on BottomLayer "GND_L04_P016" (solid, remove dead copper, pour order 16): 1465,1671.69 1537,1743.69 1537,3426 1609,3498 1758,3498 1758,3818 2456.69,3818 2456.69,119 240,119 240,319 70,319 70,608 897.91,608 1237,268.91 1237,210 1255,192 1447,192 1465,210
GND_ISO2 on BottomLayer "MidLayer1-No Net" (solid, remove dead copper, pour order 12): 63,1924 1308.64,1924 1427.17,1924 1427.17,1742.13 1405,1705 1405,252 1297,252 1297,389 1018,668 63,668
GND_ISO1 on BottomLayer "TopLayer-No Net" (solid, remove dead copper, pour order 22): 764,3465 1194,3465 1380.57,3651.57 1683.07,3651.57 1683.07,3553.15 1579.15,3553.15 1414.87,3388.87 1414.87,2198.82 1194,2198.82 1194,2029 73,2029 73,3340 639,3340
GND on BottomLayer "TopLayer-No Net" (solid, pour order 24): 1407,3762 1170,3525 739,3525 614,3400 70,3400 70,3615 245,3615 245,3815 1793,3815 1793,3717 1758,3717 1758,3736 1732,3762
P5V0_ISO1 on Internal Plane 2 (split plane): 1698.38,3557.62 1589.02,3557.62 1584.39,3557.25 1580.75,3556.38 1579.87,3556.17 1578.61,3555.65 1575.58,3554.39 1573.12,3552.88 1571.61,3551.96 1568.08,3548.94 1425.91,3406.77 1422.89,3403.24 1420.46,3399.27 1419.2,3396.24 1418.68,3394.98 1417.6,3390.46 1417.23,3385.83 1417.23,2608.27 1417.6,2603.63 1418.68,2599.11 1419.2,2597.86 1420.46,2594.82 1422.89,2590.86 1425.91,2587.32 1477.38,2535.85 1477.38,2028.62 72.62,2028.62 72.62,3292 72.62,3340.38 627,3340.38 631.63,3340.75 636.15,3341.83 637.41,3342.35 640.45,3343.61 644.41,3346.04 647.94,3349.06 764.27,3465.38 1182,3465.38 1186.63,3465.75 1191.15,3466.83 1192.41,3467.35 1195.45,3468.61 1199.41,3471.04 1202.94,3474.06 1431.27,3702.38 1698.38,3702.38
P5V0_ISO2 on Internal Plane 2 (split plane): 1456.6,1757.49 1414.06,1714.94 1411.04,1711.41 1408.61,1707.45 1407.35,1704.41 1406.83,1703.15 1405.75,1698.63 1405.38,1694 1405.38,1324.31 1405.38,714.08 1405.38,251.62 1296.62,251.62 1296.62,377 1296.25,381.63 1295.17,386.15 1293.39,390.45 1290.96,394.41 1287.94,397.94 1026.94,658.94 1023.41,661.96 1019.45,664.39 1016.41,665.65 1015.15,666.17 1010.63,667.25 1006,667.62 61.62,667.62 61.62,1924.38 1456.6,1924.38
P3V3 on Internal Plane 2 (split plane): 2475.97,20.1 20.1,20.1 20.1,610.97 22.85,609.83 27.37,608.75 32,608.38 993.73,608.38 1237.38,364.73 1237.38,222 1237.75,217.37 1238.83,212.85 1240.61,208.55 1243.04,204.59 1246.06,201.06 1249.59,198.04 1253.55,195.61 1257.85,193.83 1262.37,192.75 1267,192.38 1435,192.38 1439.63,192.75 1444.15,193.83 1448.45,195.61 1452.41,198.04 1455.94,201.06 1458.96,204.59 1461.39,208.55 1463.17,212.85 1464.25,217.37 1464.62,222 1464.62,714.08 1464.62,1324.31 1464.62,1681.73 1507.16,1724.28 1510.18,1727.81 1512.61,1731.77 1513.5,1733.92 1514.39,1736.07 1515.47,1740.59 1515.84,1745.22 1515.84,1954 1515.47,1958.63 1514.39,1963.15 1512.61,1967.45 1511.22,1969.71 1511.63,1969.75 1516.15,1970.83 1520.45,1972.61 1524.41,1975.04 1527.94,1978.06 1530.96,1981.59 1533.39,1985.55 1535.17,1989.85 1536.25,1994.37 1536.62,1999 1536.62,2548.12 1536.25,2552.75 1535.38,2556.4 1535.17,2557.27 1534.65,2558.53 1533.39,2561.56 1531.88,2564.02 1530.96,2565.53 1527.94,2569.06 1476.47,2620.54 1476.47,3373.56 1601.29,3498.38 1728,3498.38 1732.63,3498.75 1737.15,3499.83 1741.45,3501.61 1745.41,3504.04 1748.94,3507.06 1751.96,3510.59 1754.39,3514.55 1756.17,3518.85 1757.25,3523.37 1757.62,3528 1757.62,3724 1757.25,3728.63 1756.17,3733.15 1754.39,3737.45 1751.96,3741.41 1748.94,3744.94 1745.41,3747.96 1744.51,3748.51 1743.96,3749.41 1740.94,3752.94 1737.41,3755.96 1733.45,3758.39 1729.15,3760.17 1724.63,3761.25 1720,3761.62 1419,3761.62 1414.37,3761.25 1409.85,3760.17 1407.7,3759.28 1405.55,3758.39 1401.59,3755.96 1398.06,3752.94 1169.73,3524.62 752,3524.62 747.37,3524.25 742.85,3523.17 741.59,3522.65 738.55,3521.39 734.59,3518.96 731.06,3515.94 614.73,3399.62 43,3399.62 38.37,3399.25 33.85,3398.17 29.55,3396.39 25.59,3393.96 22.06,3390.94 20.1,3388.65 20.1,3916.9 2475.97,3916.9
GND_ISO1 on Internal Plane 1 (split plane): 1698.38,3557.62 1584.73,3557.62 1580.1,3557.25 1575.58,3556.17 1573.43,3555.28 1571.29,3554.39 1567.32,3551.96 1563.79,3548.94 1423.54,3408.7 1420.53,3405.17 1418.1,3401.2 1416.84,3398.17 1416.32,3396.91 1415.23,3392.39 1414.87,3387.76 1414.87,3387.75 1414.87,2930.71 1414.87,2610.63 1415.23,2606 1416.32,2601.48 1416.84,2600.22 1418.1,2597.18 1420.53,2593.22 1423.54,2589.69 1477.38,2535.85 1477.38,2028.62 72.62,2028.62 72.62,3292 72.62,3340.38 627,3340.38 631.63,3340.75 636.15,3341.83 637.41,3342.35 640.45,3343.61 644.41,3346.04 647.94,3349.06 764.27,3465.38 1182,3465.38 1186.63,3465.75 1191.15,3466.83 1192.41,3467.35 1195.45,3468.61 1199.41,3471.04 1202.94,3474.06 1431.27,3702.38 1698.38,3702.38
GND_ISO2 on Internal Plane 1 (split plane): 1456.6,1757.49 1414.06,1714.94 1411.04,1711.41 1408.61,1707.45 1407.35,1704.41 1406.83,1703.15 1405.75,1698.63 1405.38,1694 1405.38,1324.31 1405.38,714.08 1405.38,251.62 1296.62,251.62 1296.62,377 1296.25,381.63 1295.17,386.15 1293.39,390.45 1290.96,394.41 1287.94,397.94 1026.94,658.94 1023.41,661.96 1019.45,664.39 1016.41,665.65 1015.15,666.17 1010.63,667.25 1006,667.62 61.62,667.62 61.62,1924.38 1456.6,1924.38
GND on Internal Plane 1 (split plane): 2475.97,20.1 20.1,20.1 20.1,610.97 22.85,609.83 27.37,608.75 32,608.38 993.73,608.38 1237.38,364.73 1237.38,222 1237.75,217.37 1238.83,212.85 1240.61,208.55 1243.04,204.59 1246.06,201.06 1249.59,198.04 1253.55,195.61 1257.85,193.83 1262.37,192.75 1267,192.38 1435,192.38 1439.63,192.75 1444.15,193.83 1448.45,195.61 1452.41,198.04 1455.94,201.06 1458.96,204.59 1461.39,208.55 1463.17,212.85 1464.25,217.37 1464.62,222 1464.62,714.08 1464.62,1324.31 1464.62,1681.73 1507.16,1724.28 1510.18,1727.81 1512.61,1731.77 1513.5,1733.92 1514.39,1736.07 1515.47,1740.59 1515.84,1745.22 1515.84,1954 1515.47,1958.63 1514.39,1963.15 1512.61,1967.45 1511.22,1969.71 1511.63,1969.75 1516.15,1970.83 1520.45,1972.61 1524.41,1975.04 1527.94,1978.06 1530.96,1981.59 1533.39,1985.55 1535.17,1989.85 1536.25,1994.37 1536.62,1999 1536.62,2548.12 1536.25,2552.75 1535.17,2557.27 1533.39,2561.56 1530.96,2565.53 1527.94,2569.06 1474.11,2622.9 1474.11,2930.71 1474.11,3375.49 1597,3498.38 1728,3498.38 1732.63,3498.75 1737.15,3499.83 1741.45,3501.61 1745.41,3504.04 1748.94,3507.06 1751.96,3510.59 1754.39,3514.55 1756.17,3518.85 1757.25,3523.37 1757.62,3528 1757.62,3724 1757.25,3728.63 1756.17,3733.15 1754.39,3737.45 1751.96,3741.41 1748.94,3744.94 1745.41,3747.96 1744.51,3748.51 1743.96,3749.41 1740.94,3752.94 1737.41,3755.96 1733.45,3758.39 1729.15,3760.17 1724.63,3761.25 1720,3761.62 1419,3761.62 1414.37,3761.25 1409.85,3760.17 1407.7,3759.28 1405.55,3758.39 1401.59,3755.96 1398.06,3752.94 1169.73,3524.62 752,3524.62 747.37,3524.25 742.85,3523.17 741.59,3522.65 738.55,3521.39 734.59,3518.96 731.06,3515.94 614.73,3399.62 43,3399.62 38.37,3399.25 33.85,3398.17 29.55,3396.39 25.59,3393.96 22.06,3390.94 20.1,3388.65 20.1,3916.9 2475.97,3916.9

## Keep-outs
KeepOutLayer:
  lines w8: 65,319 240,319 240,119 2456.69,119 2456.69,3819 240,3819 240,3619 65,3619 65,319

## Other copper
TopLayer:
  rectangle net GND_ISO2: 633.61,1820.43 761.57,1913
  rectangle net GND: 603,334 641,368
  region net GND: 524,382 441,382 441,319 524,319
  rectangle net GND: 496,332 536,370
  region net P5V0_ISO2: 893,1850 893,1767 956,1767 956,1850
  region net P5V0_ISO1: 1100,3355 1100,3438 1037,3438 1037,3355
  region net GND: 1828.94,3270.11 1828.94,3353.11 1765.94,3353.11 1765.94,3270.11
  region net GND: 1783,2000 1700,2000 1700,1937 1783,1937
  rectangle net GND: 1979,292 2062,355
  rectangle net P3V3: 1982,442 2065,505
  region net P3V3: 793,478 793,395 856,395 856,478
  region net GND: 956,288 956,371 893,371 893,288
  region net GND: 937,479 937,396 1000,396 1000,479
  rectangle net GND_ISO1: 757.87,3287.4 885.83,3375.98
  text "Board Layer Stack" at 2777.8,3430.4 h60 r90
  text "Constant" at 2777.8,2860.53 h60 r90
  text "3.5" at 3017.8,2860.53 h60 r90
  text "4.8" at 3257.8,2860.53 h60 r90
  text "4.2" at 3497.8,2860.53 h60 r90
  text "4.2" at 3737.8,2860.53 h60 r90
  text "3.5" at 3977.8,2860.53 h60 r90
  text "Thickness" at 2777.8,2210.7 h60 r90
  text "0.40mil" at 3017.8,2210.7 h60 r90
  text "1.40mil" at 3137.8,2210.7 h60 r90
  text "15.00mil" at 3257.8,2210.7 h60 r90
  text "1.42mil" at 3377.8,2210.7 h60 r90
  text "5.00mil" at 3497.8,2210.7 h60 r90
  text "1.42mil" at 3617.8,2210.7 h60 r90
  text "10.00mil" at 3737.8,2210.7 h60 r90
  text "1.40mil" at 3857.8,2210.7 h60 r90
  text "0.40mil" at 3977.8,2210.7 h60 r90
  text "Material" at 2777.8,1350.93 h60 r90
  text "Solder Resist" at 3017.8,1350.93 h60 r90
  text "Copper" at 3137.8,1350.93 h60 r90
  text "FR-4" at 3257.8,1350.93 h60 r90
  text "Copper" at 3377.8,1350.93 h60 r90
  text "Copper" at 3617.8,1350.93 h60 r90
  text "FR-4" at 3737.8,1350.93 h60 r90
  text "Copper" at 3857.8,1350.93 h60 r90
  text "Solder Resist" at 3977.8,1350.93 h60 r90
  text "Name" at 2777.8,311.22 h60 r90
  text "TopOverlay" at 2897.8,311.22 h60 r90
  text "TopSolder" at 3017.8,311.22 h60 r90
  text "TopLayer" at 3137.8,311.22 h60 r90
  text "Dielectric1" at 3257.8,311.22 h60 r90
  text "Internal Plane 2" at 3377.8,311.22 h60 r90
  text "Dielectric 3" at 3497.8,311.22 h60 r90
  text "Internal Plane 1" at 3617.8,311.22 h60 r90
  text "Dielectric2" at 3737.8,311.22 h60 r90
  text "BottomLayer" at 3857.8,311.22 h60 r90
  text "BottomSolder" at 3977.8,311.22 h60 r90
  text "BottomOverlay" at 4097.8,311.22 h60 r90
  text "Layer" at 2777.8,-98.69 h60 r90
  text "1" at 2897.8,-98.69 h60 r90
  text "2" at 3017.8,-98.69 h60 r90
  text "3" at 3137.8,-98.69 h60 r90
  text "4" at 3257.8,-98.69 h60 r90
  text "5" at 3377.8,-98.69 h60 r90
  text "6" at 3497.8,-98.69 h60 r90
  text "7" at 3617.8,-98.69 h60 r90
  text "8" at 3737.8,-98.69 h60 r90
  text "9" at 3857.8,-98.69 h60 r90
  text "10" at 3977.8,-98.69 h60 r90
  text "11" at 4097.8,-98.69 h60 r90
Internal Plane 1 (plane layer: these items are gaps in the copper):
  lines w59.06: 1720,3732 1419,3732 1182,3495 752,3495 627,3370 43,3370 43,3292 43,1999 434,1999 1507,1999 1507,2548.12 1444.49,2610.63 1444.49,2930.71 1444.49,3387.76 1584.73,3528 1728,3528 1728,3724 ; 32,638 32,1954 1486.22,1954 1486.22,1745.22 1435,1694 1435,1324.31 1435,714.08 1435,222 1267,222 1267,377 1006,638 32,638
Internal Plane 2 (plane layer: these items are gaps in the copper):
  lines w59.06: 1720,3732 1419,3732 1182,3495 752,3495 627,3370 43,3370 43,3292 43,1999 434,1999 1507,1999 1507,2548.12 1446.85,2608.27 1446.85,3385.83 1589.02,3528 1728,3528 1728,3724 ; 32,638 32,1954 1486.22,1954 1486.22,1745.22 1435,1694 1435,1324.31 1435,714.08 1435,222 1267,222 1267,377 1006,638 32,638

## Silkscreen, mask and mechanical layers (free items; w line width, h text height)
TopOverlay:
  drawing of 1218 lines, arcs and shapes, not listed
  text "BOT OUT" at 334.65,3651.57 h40
  text "TOP IN" at 324.8,3582.68 h40
  text "GND" at 866.14,3513.78 h39.37
  text "GND" at 2248,3001.97 h39.37
  text "IO2/IO4" at 679.13,2942.91 h50 r90
  text "MP" at 2283.46,2893.7 h39.37
  text "MP" at 2385.51,2666.5 h39.37 r90
  text "SDA" at 2224.41,2647.64 h39.37 r90
  text "SCL" at 2309,2647.64 h39.37 r90
  text "OUT" at 2047,2334 h40
  text "IN" at 2047,2262 h40
  text "IO1/IO3" at 669.29,2224.41 h50 r90
  text "Termination" at 738.19,2037.4 h40 r90
  text "IO1" at 777.56,1978.35 h40
  text "IO2" at 895.67,1978.35 h40
  text "IO3" at 1033.46,1954 h40
  text "IO4" at 1151.57,1954 h40
  text "IO1-4" at 1883,1897 h40 r90
  text "IO5-8" at 1960,1888 h40 r90
  text "IO5" at 757.87,1683.07 h40
  text "IO6" at 885.83,1683.07 h40
  text "IO7" at 1013.78,1683.07 h40
  text "IO8" at 1141.73,1683.07 h40
  text "IO6/IO8" at 669.29,1427.17 h50 r90
  text "Termination" at 757.87,1250 h40 r90
  text "TO KASLI/METLINO VHDCI" at 2049,958 h40 r90
  text "IO5/IO7" at 679.13,787.4 h50 r90
  text "3.3V" at 1781.84,643.68 h39.37
  text "3.3" at 1791.34,551.18 h39.37
  text "12V" at 1624.02,177.17 h39.37
  text "BOT OUT" at 266,97 h40
  text "12V" at 1958.66,68.9 h39.37
  text "GND" at 2086.61,68.9 h39.37
  text "PCB 3U BNC rev1.1" at 603,38 h80
  text "TOP IN" at 271,32 h40
BottomOverlay:
  drawing of 1216 lines, arcs and shapes, not listed
  text "PCB 3U BNC rev1.1" at 1918,34 h80
Mechanical1:
  the board outline again, w20
Mechanical8:
  lines w3.94: -100.16,-602.13 -100.16,4494.56

## Dimensions
-20,217 to 0,0 on Mechanical4

## Text inside footprints (layer, text, board x,y; h text height)
IC12: Mechanical14 "6" at 1186.5,1895.94 h59.06 r270; Mechanical14 "1" at 1687.8,1890.94 h59.06 r270
IC31: Mechanical14 "6" at 1415.17,3685.92 h59.06 r270; Mechanical14 "1" at 1916.47,3680.92 h59.06 r270
J37: TopOverlay "30" at 2349,675 h40 r270; Mechanical14 "30" at 2349,675 h40 r270
SW1: TopOverlay "4" at 1129.09,2129.25 h39.37; TopOverlay "3" at 1029.09,2129.25 h39.37; TopOverlay "ON" at 809.09,2304.25 h39.37; TopOverlay "2" at 929.09,2129.25 h39.37; TopOverlay "1" at 839.09,2129.25 h39.37; Mechanical14 "4" at 1129.09,2129.25 h39.37; Mechanical14 "3" at 1029.09,2129.25 h39.37; Mechanical14 "ON" at 809.09,2304.25 h39.37; Mechanical14 "2" at 929.09,2129.25 h39.37; Mechanical14 "1" at 839.09,2129.25 h39.37
SW2: TopOverlay "4" at 1138.94,1351.69 h39.37; TopOverlay "3" at 1038.94,1351.69 h39.37; TopOverlay "ON" at 818.94,1526.69 h39.37; TopOverlay "2" at 938.94,1351.69 h39.37; TopOverlay "1" at 848.94,1351.69 h39.37; Mechanical14 "4" at 1138.94,1351.69 h39.37; Mechanical14 "3" at 1038.94,1351.69 h39.37; Mechanical14 "ON" at 818.94,1526.69 h39.37; Mechanical14 "2" at 938.94,1351.69 h39.37; Mechanical14 "1" at 848.94,1351.69 h39.37
SW9: TopOverlay "ON" at 1818,2366 h39.37; TopOverlay "2" at 1938,2191 h39.37; TopOverlay "1" at 1848,2191 h39.37; Mechanical14 "ON" at 1818,2366 h39.37; Mechanical14 "2" at 1938,2191 h39.37; Mechanical14 "1" at 1848,2191 h39.37